# Altium PCB StepTMC5160.PcbDoc (part 1 of 3)
Units mm, origin at the board's own origin, x right, y up, seen from the top; angles counter-clockwise.
Board outline 116.59 x 111.76 mm, 4 copper layers (Component Side, GND, VCC, Bottom Layer), stack 0.778 mm thick; 199 components, 142 nets, 717 pads, 598 vias.
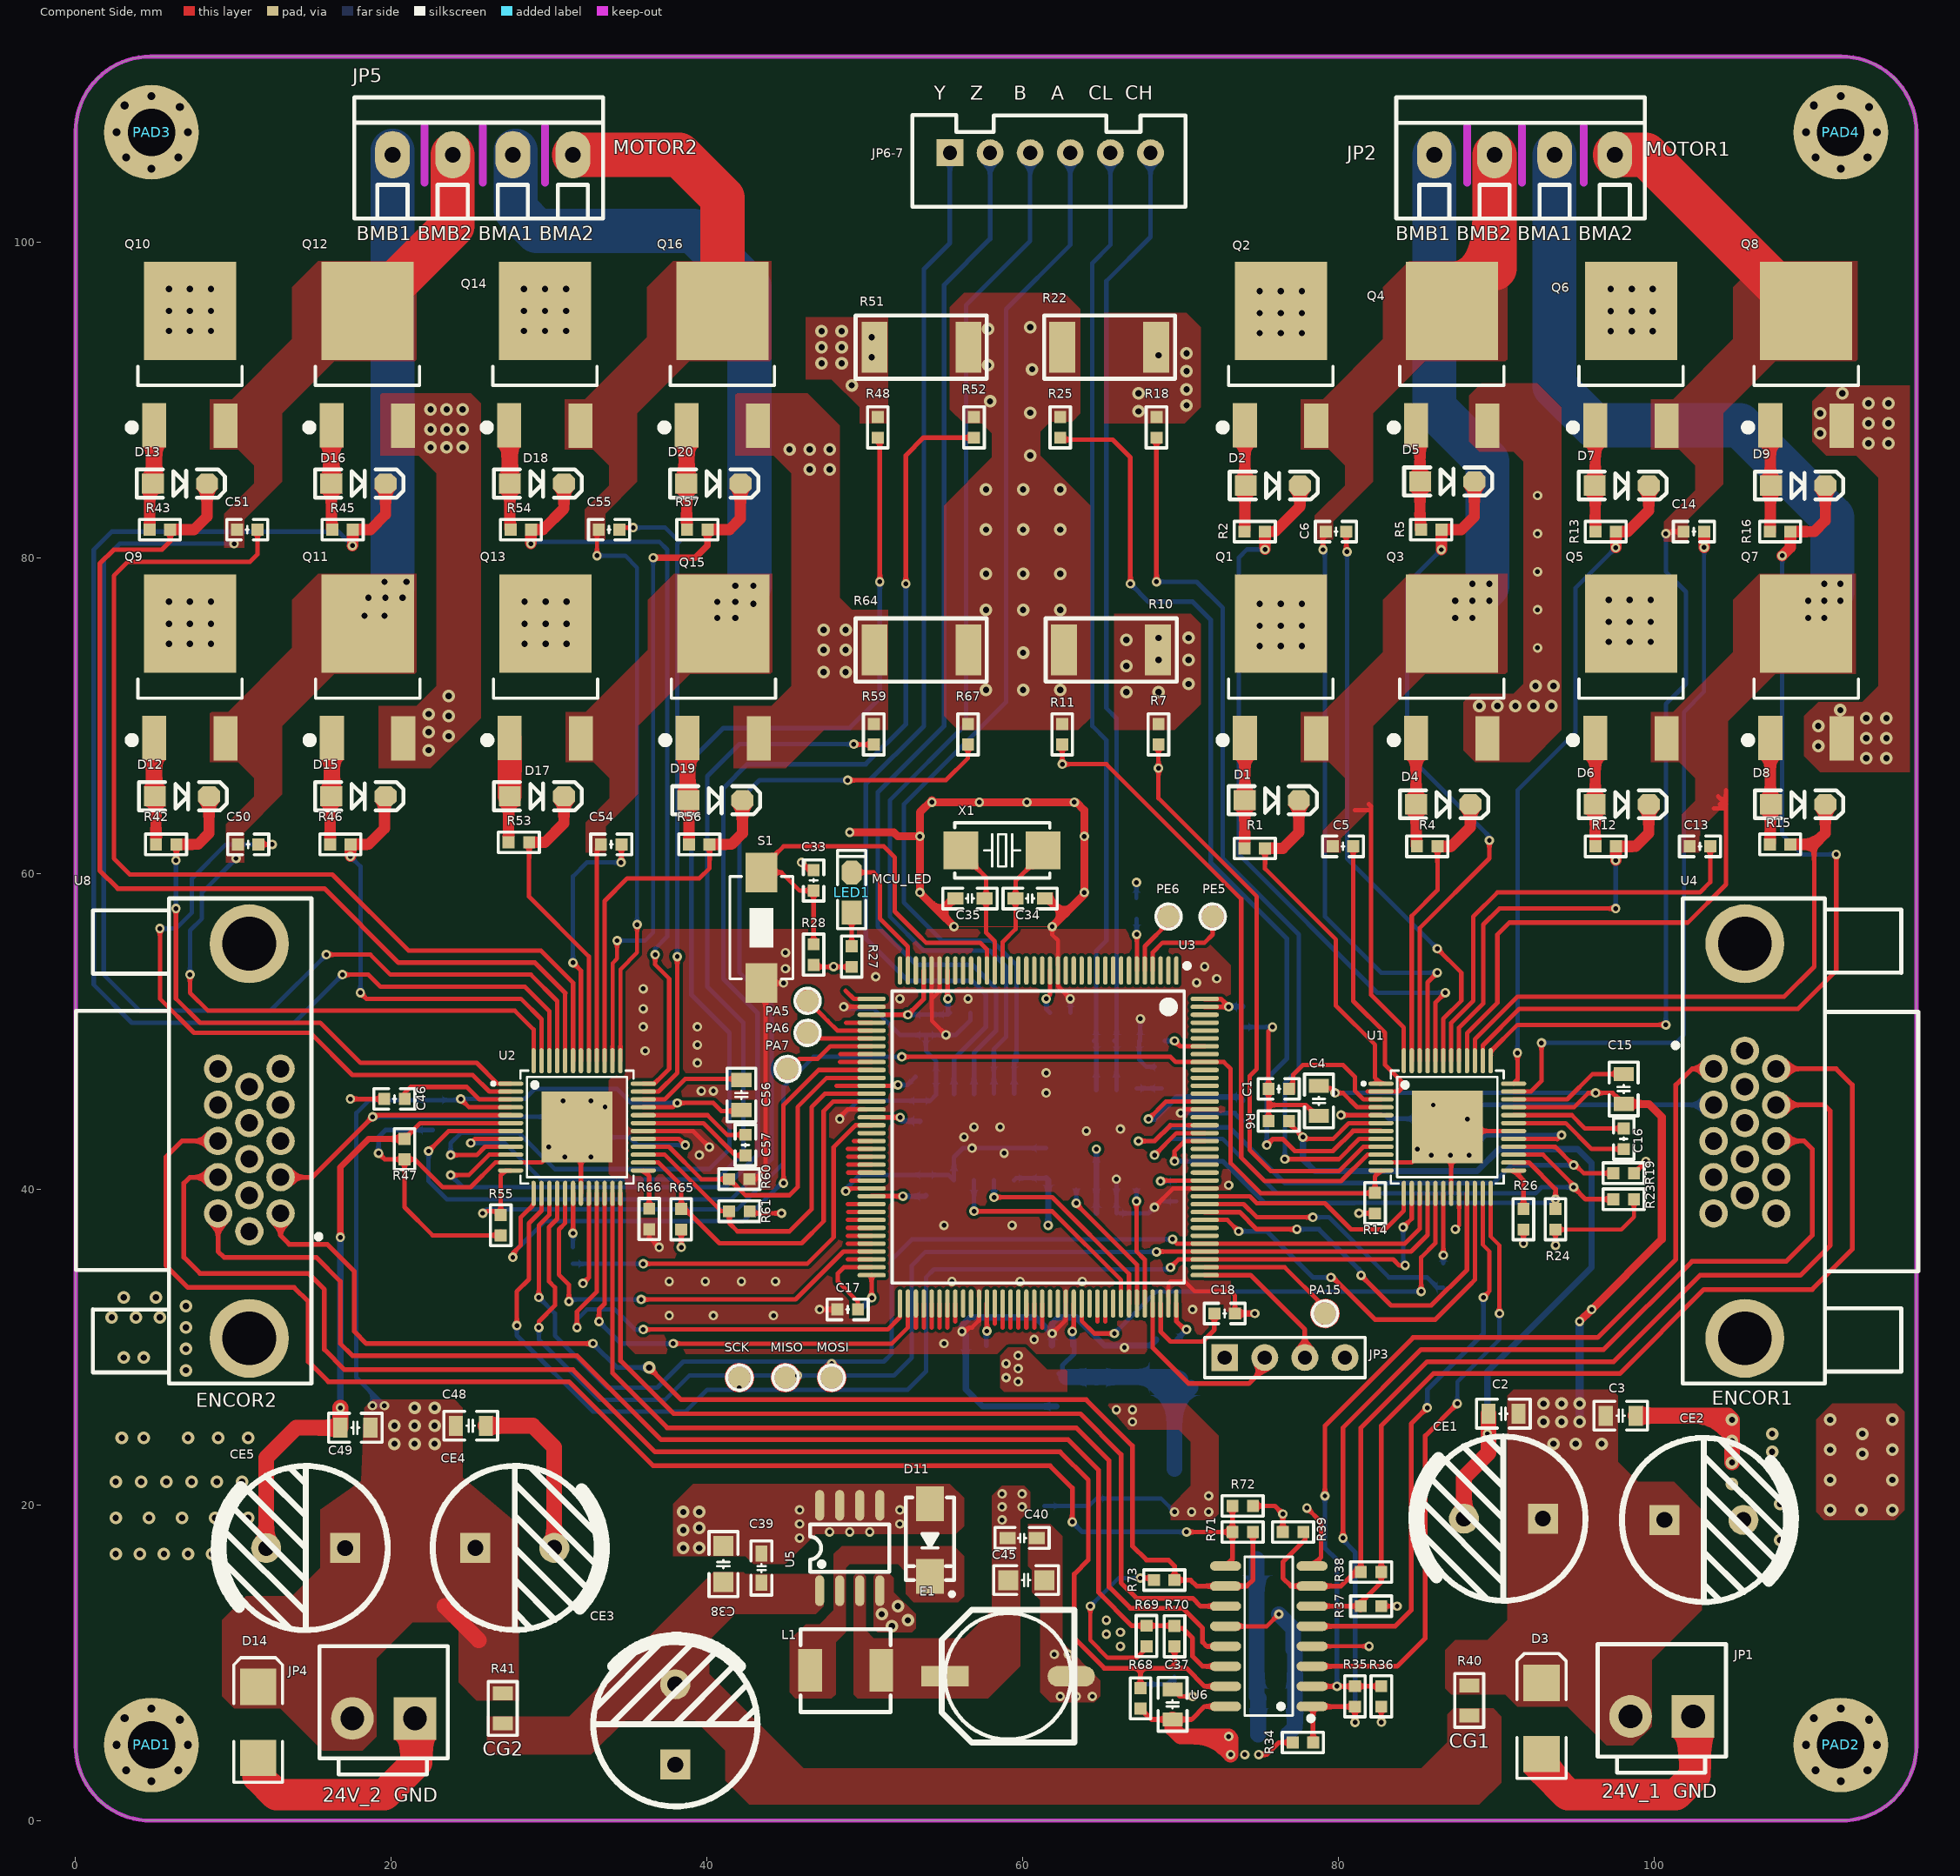
[diagram p0: Component Side view]
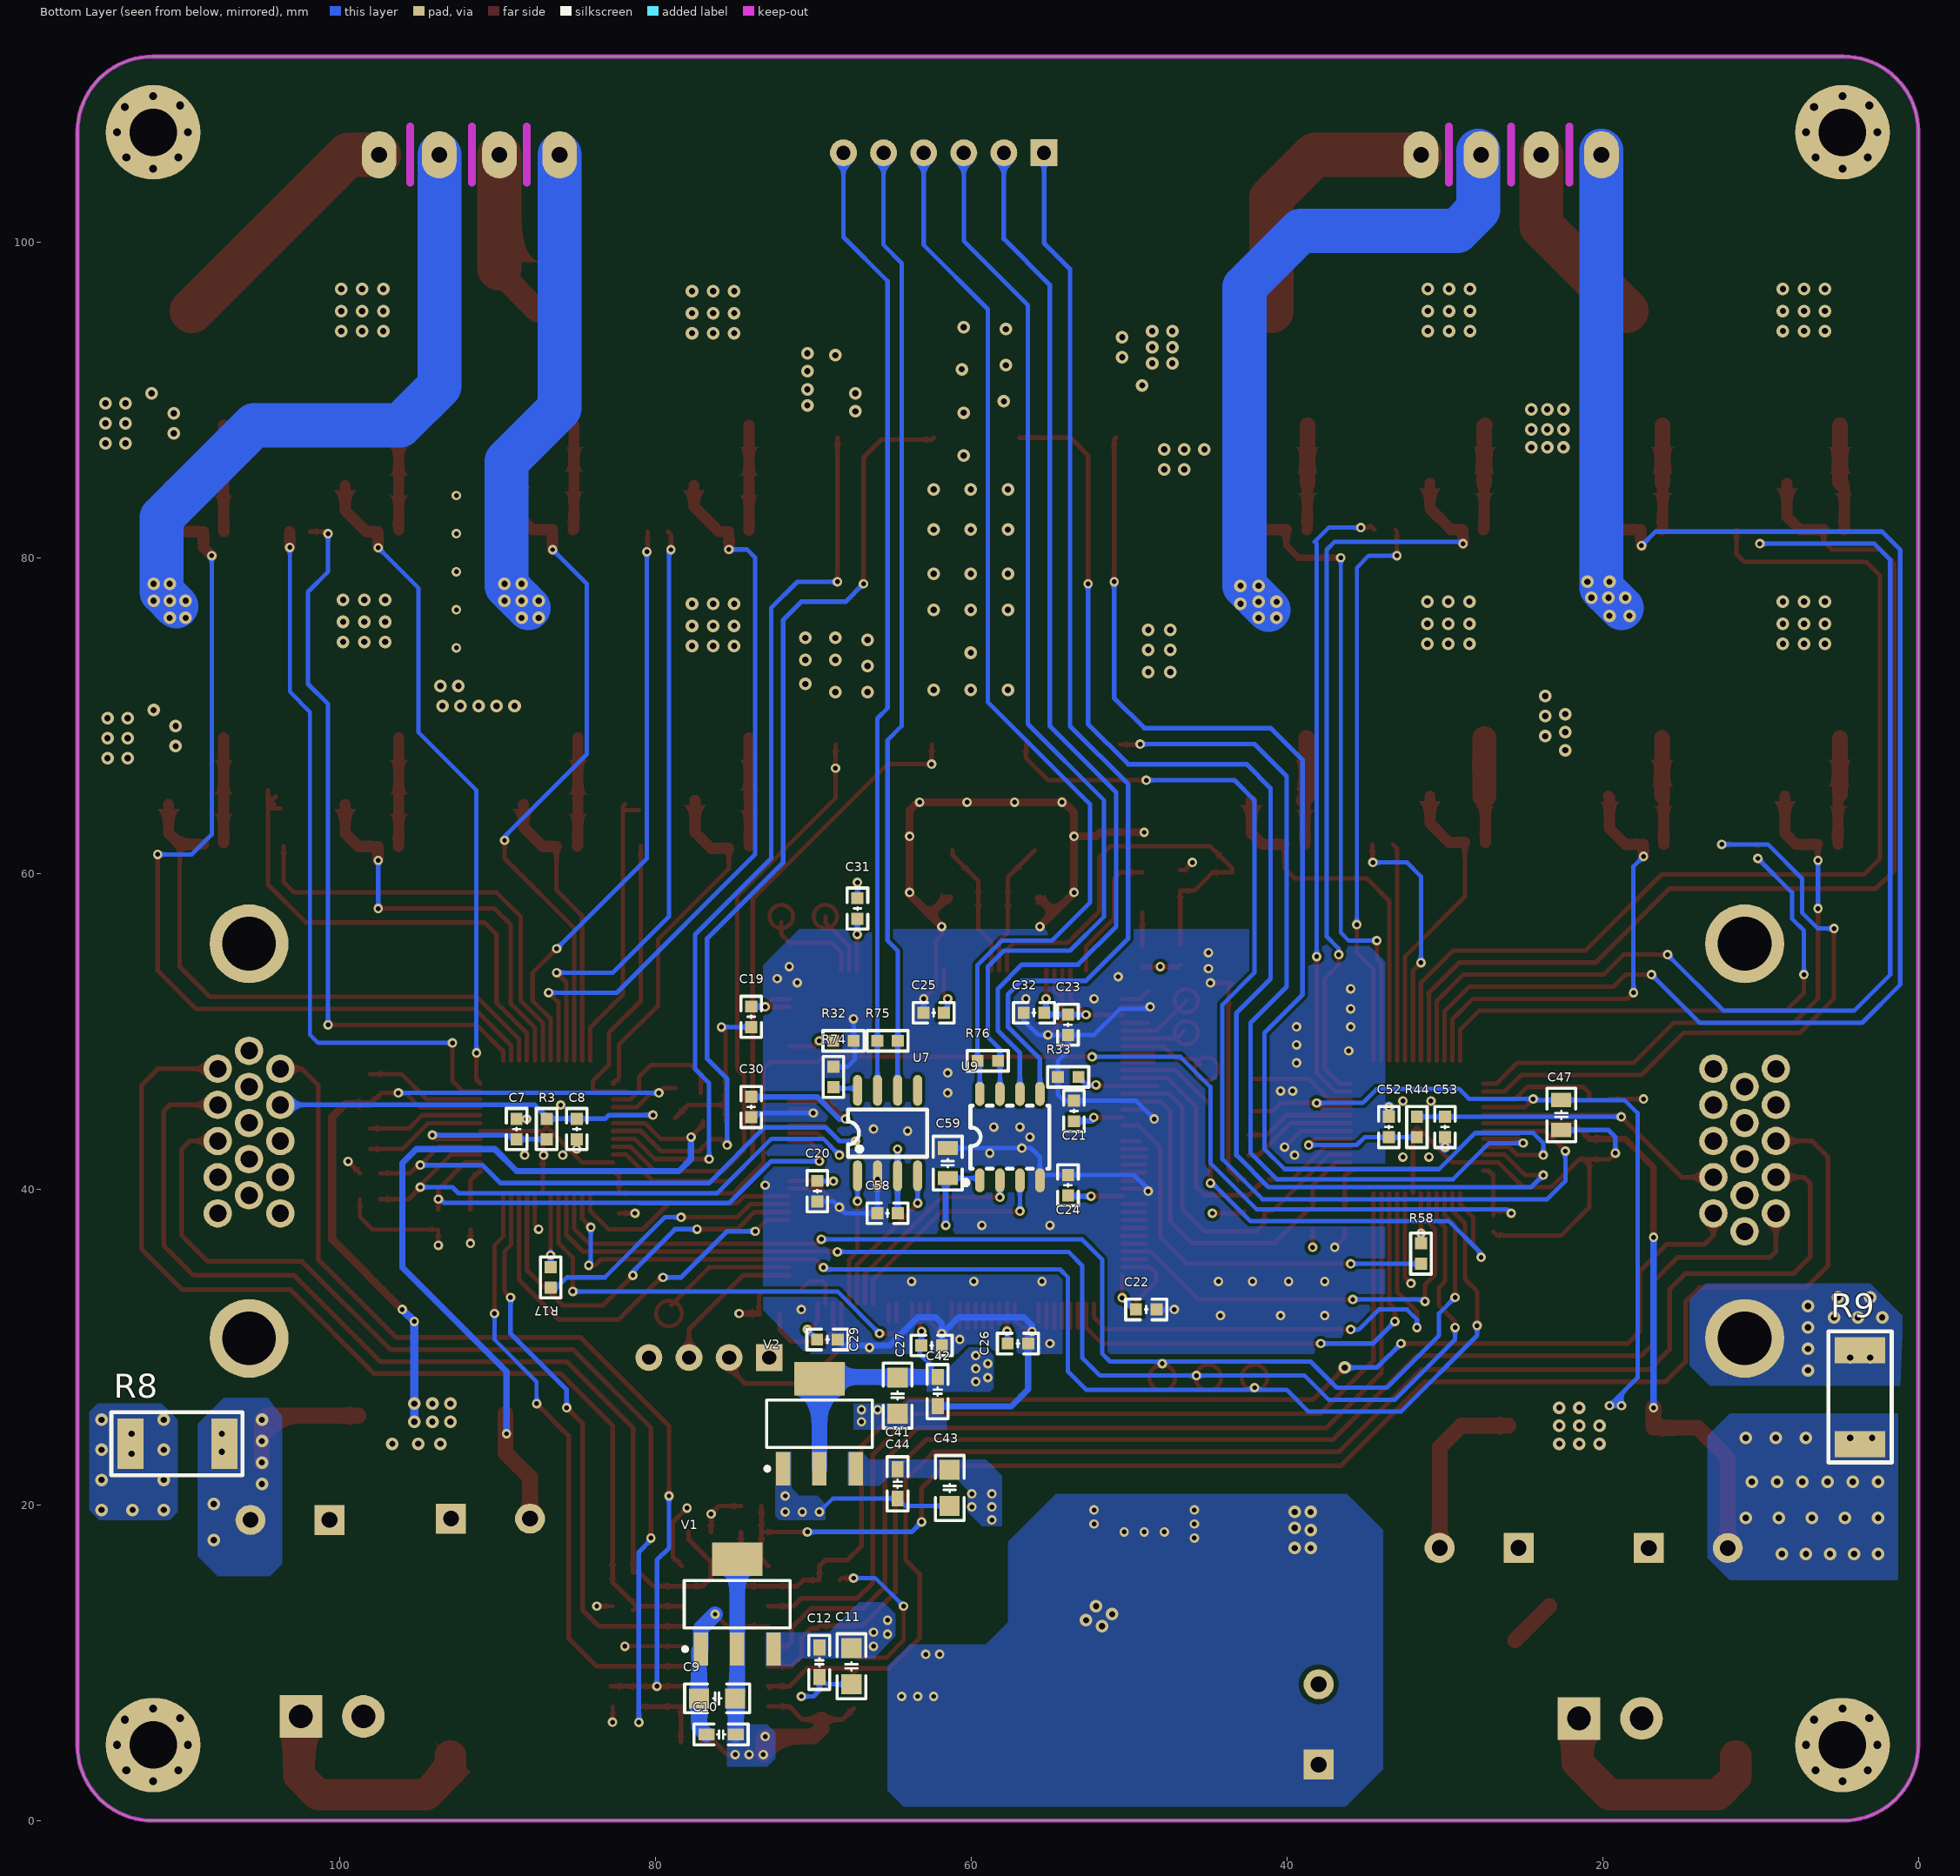
[diagram p1: Bottom Layer view, seen from below]
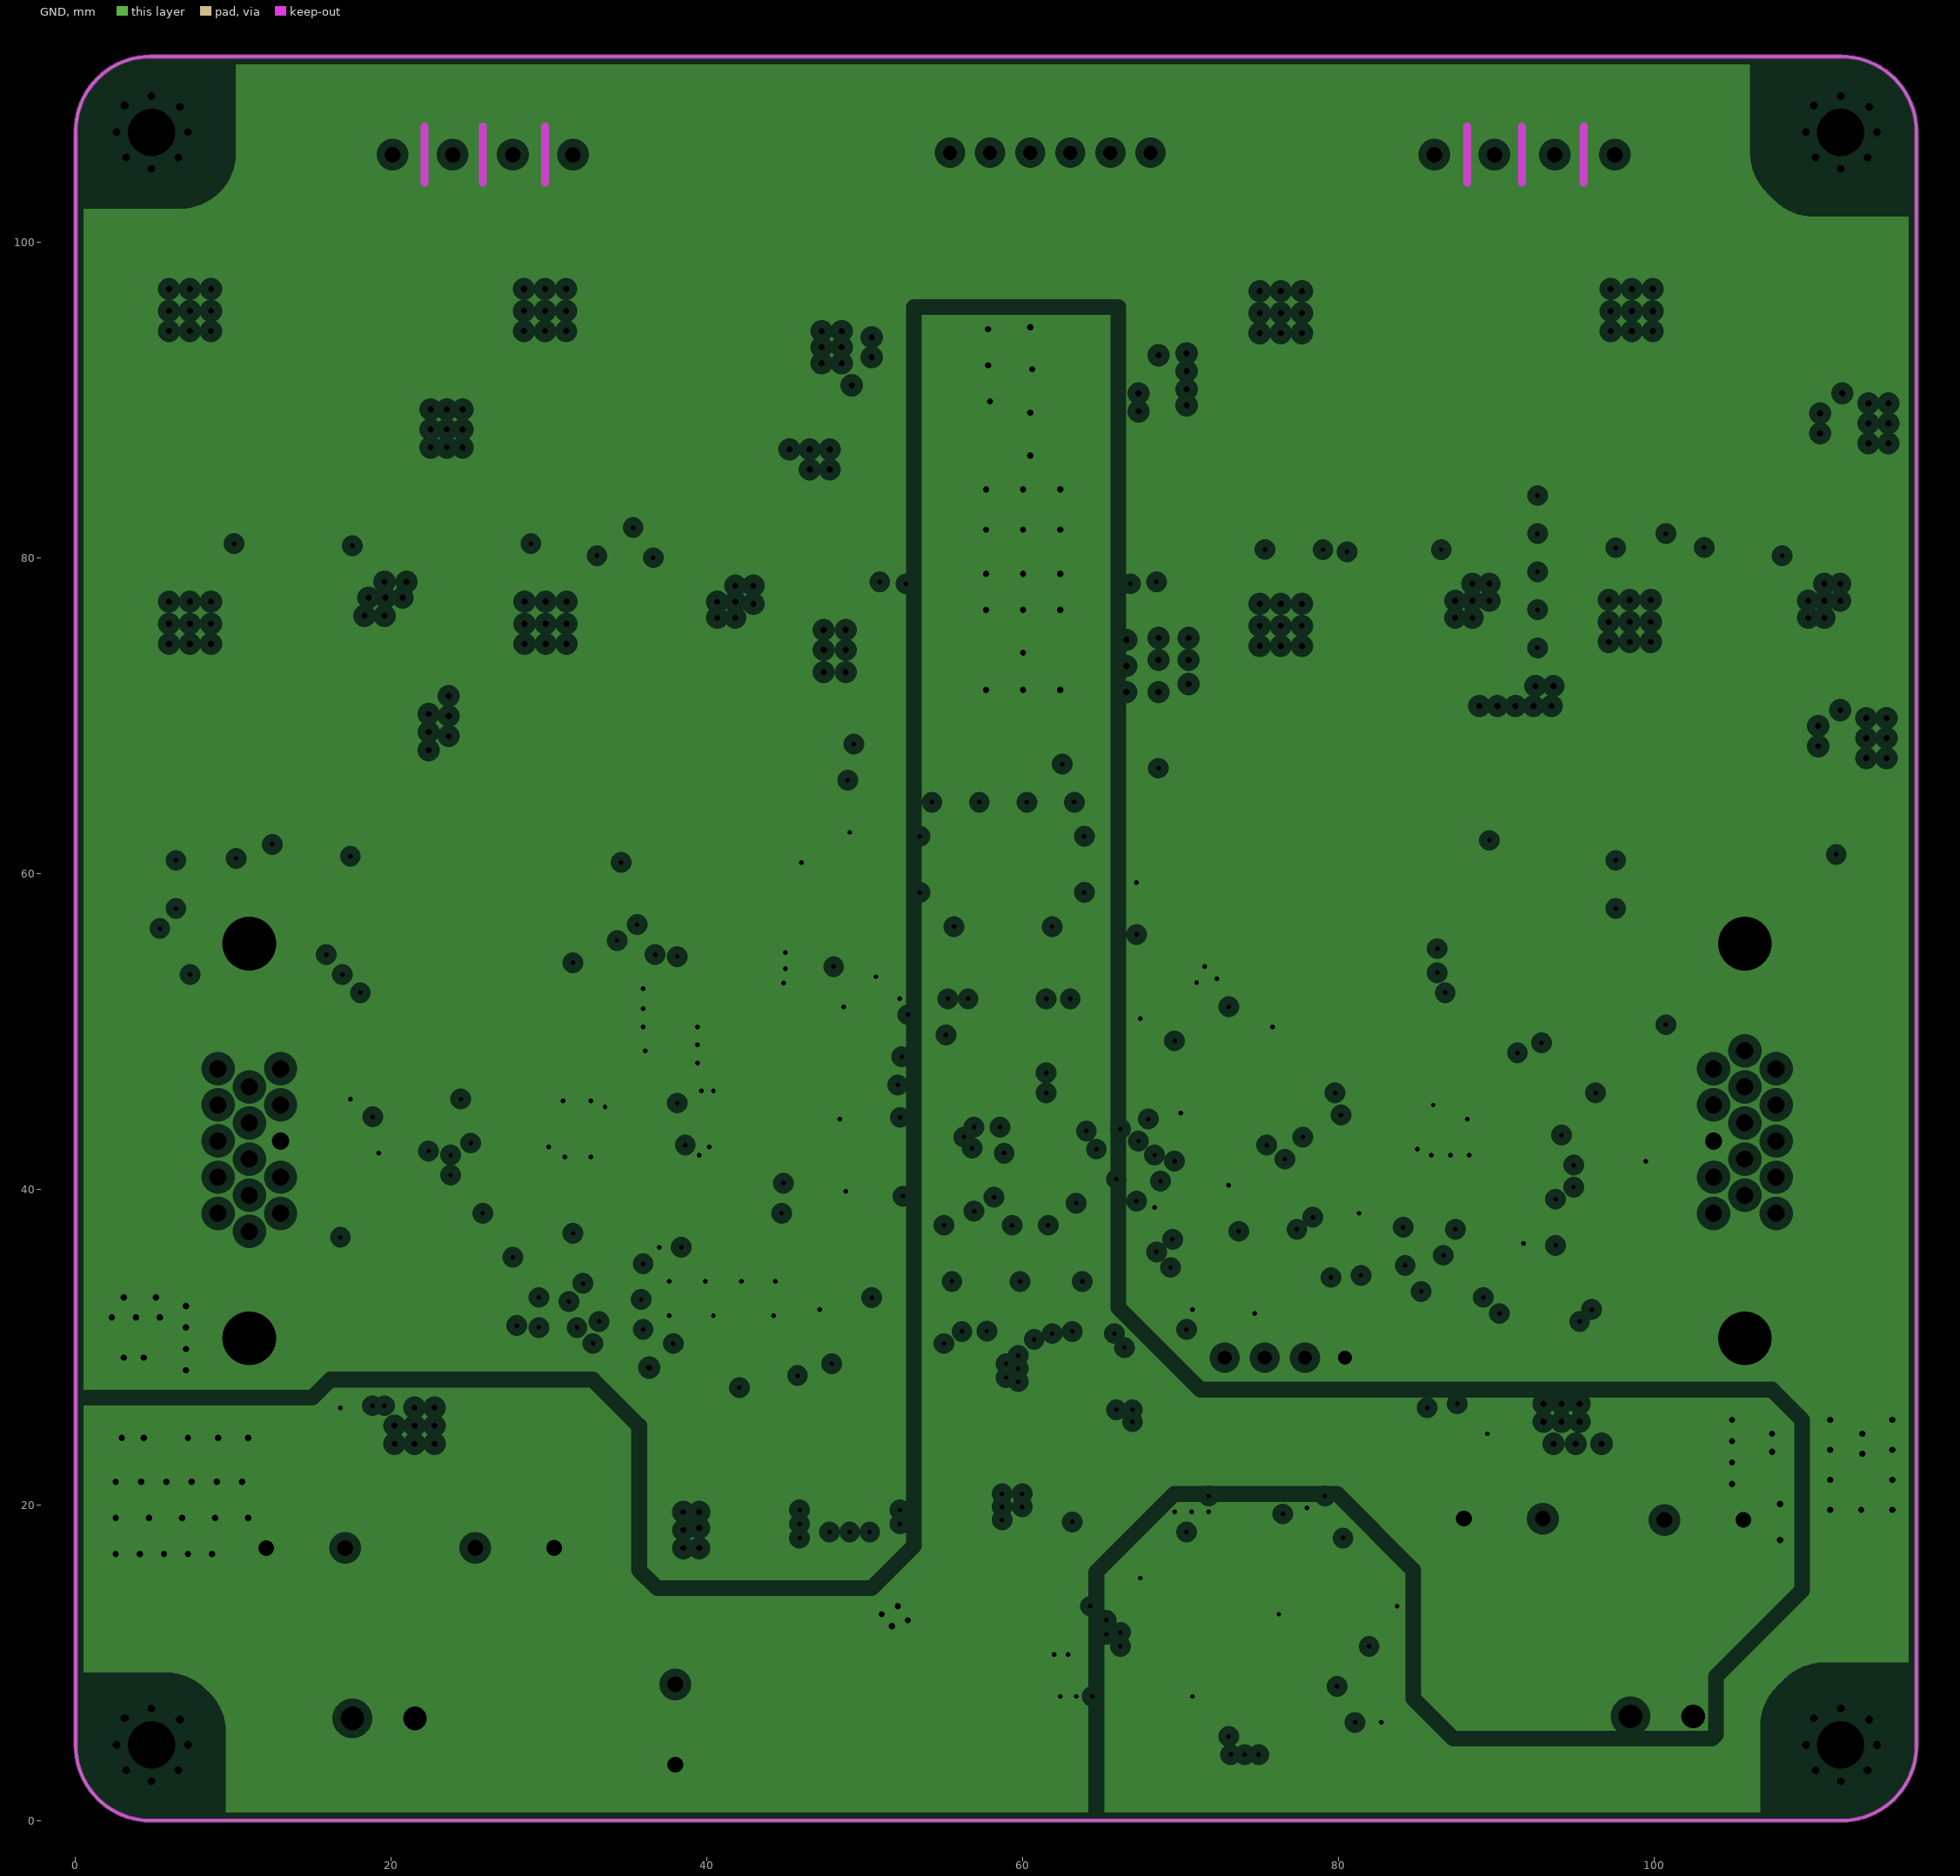
[diagram p2: GND, clearances drawn from the general rule]
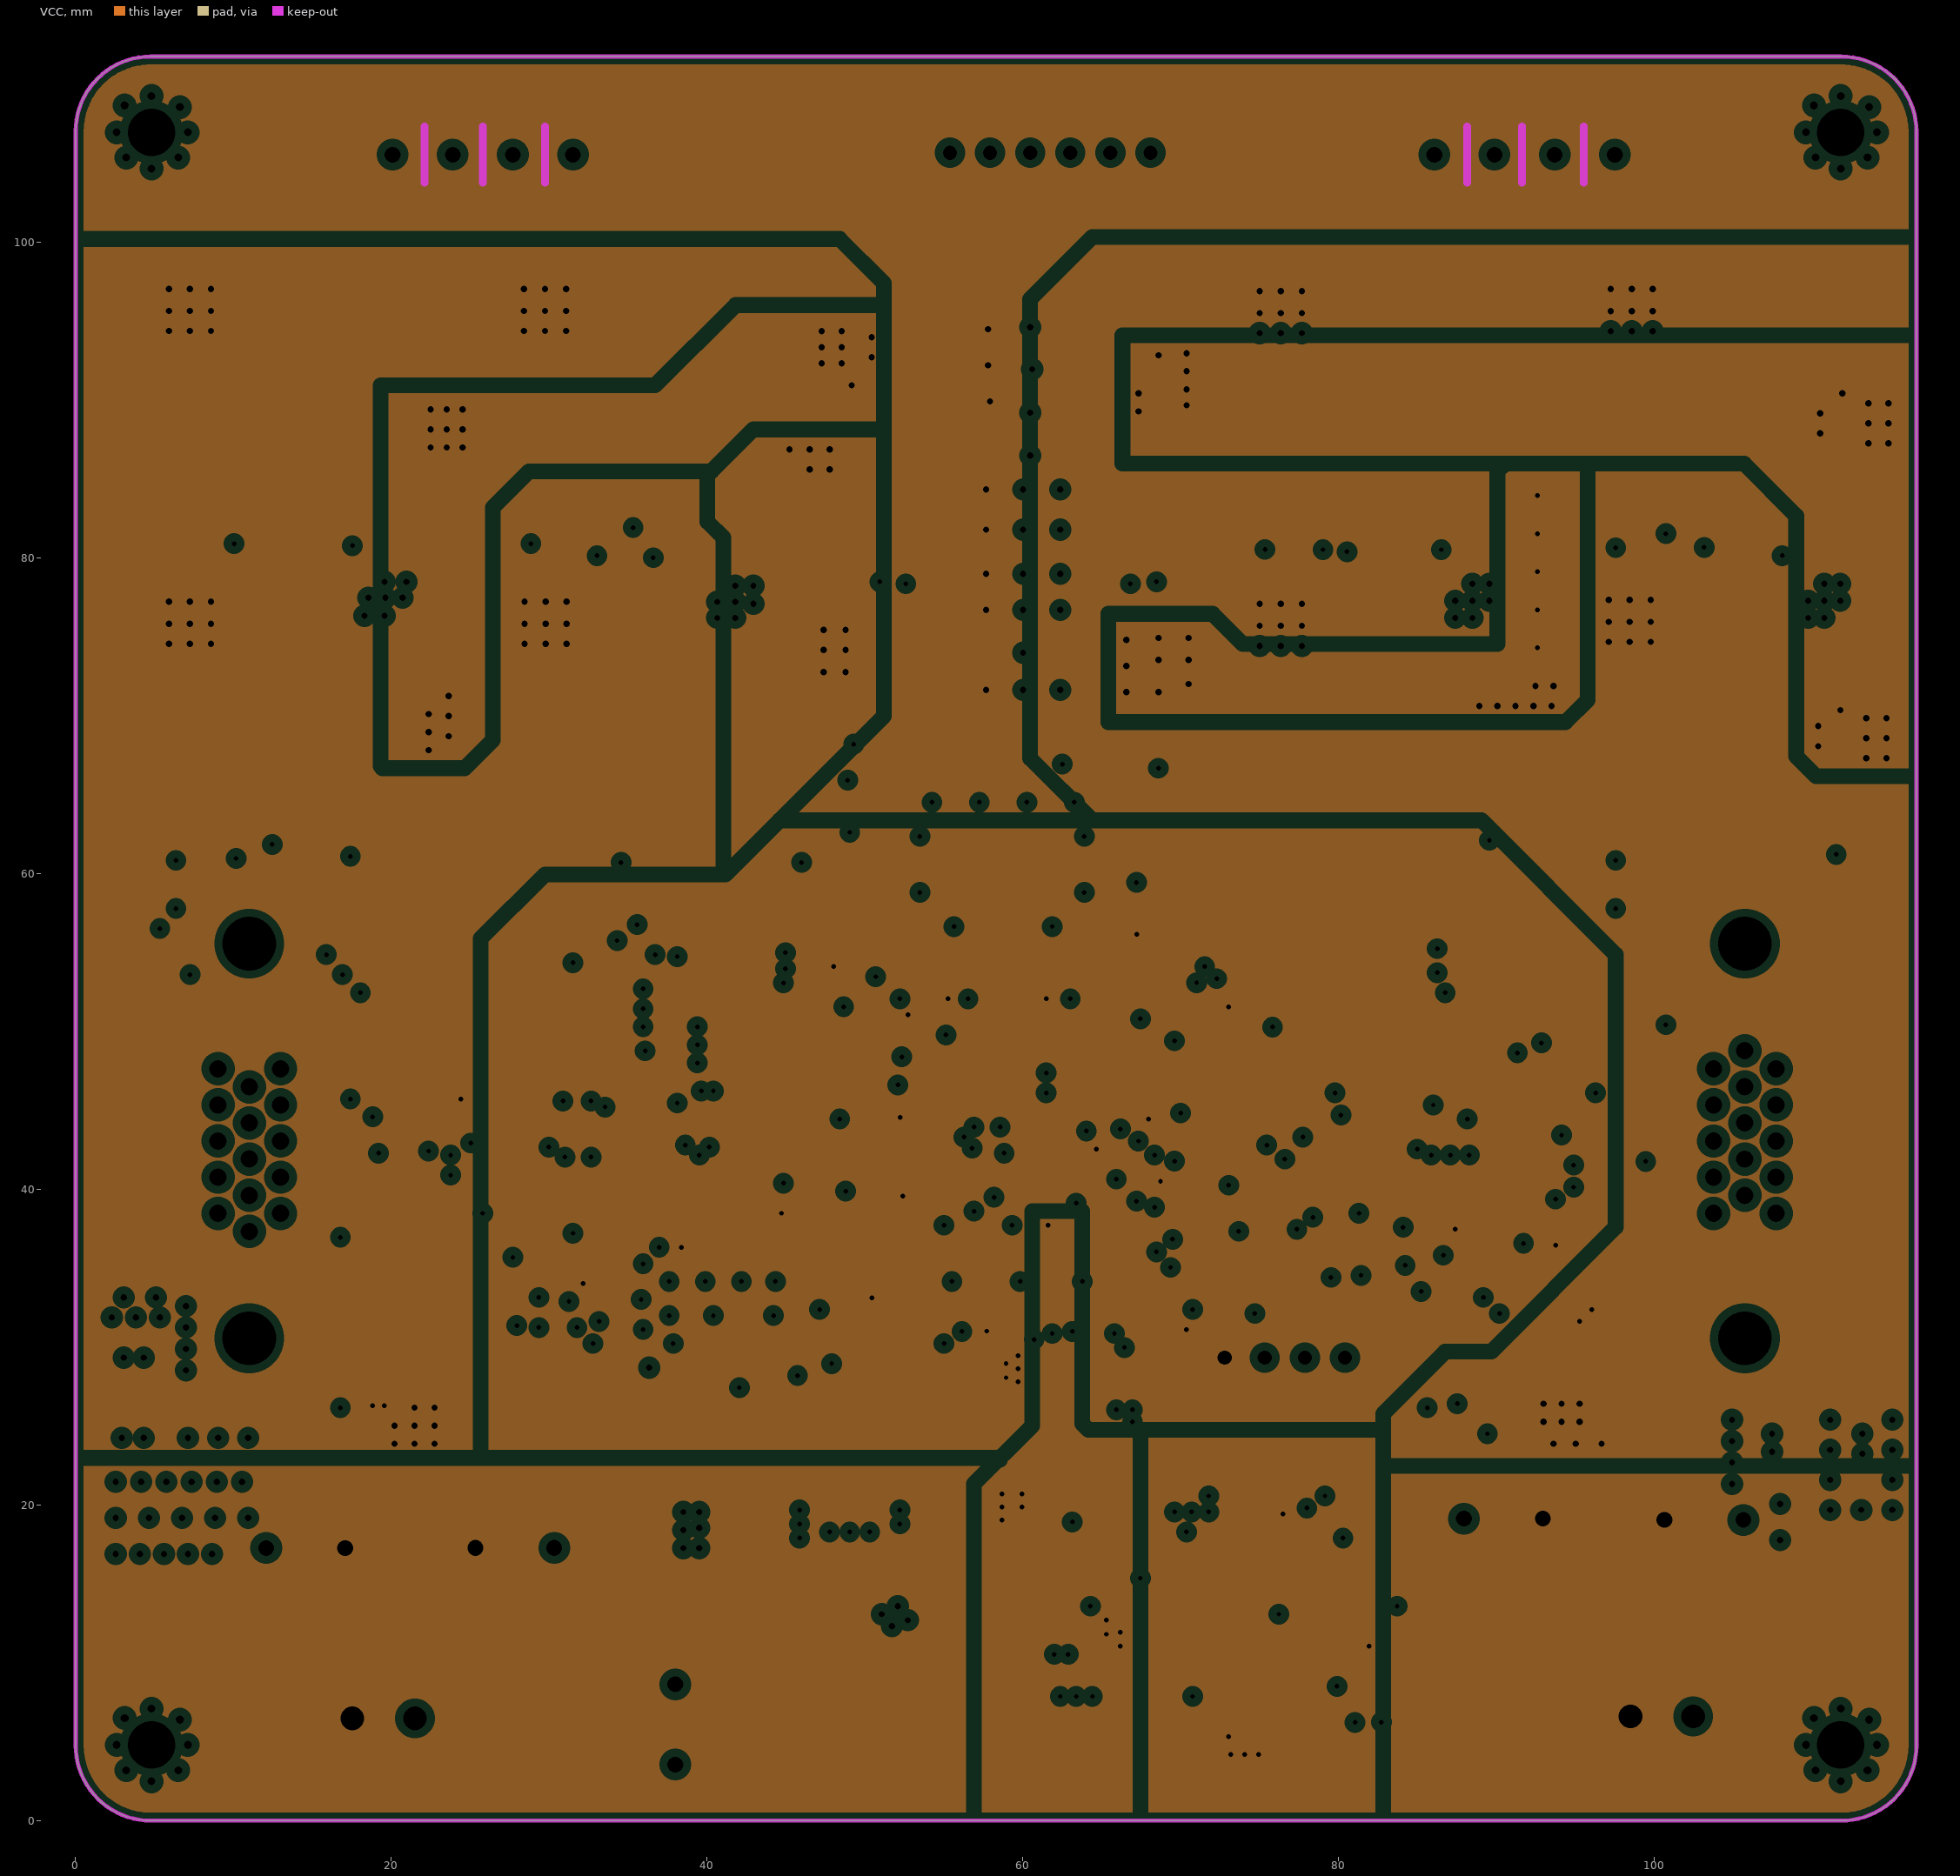
[diagram p3: VCC, clearances drawn from the general rule]

## Layer stack, top to bottom
Top Solder: solder mask 0.0102, Solder Resist, Dk 3.5
Component Side: signal copper 0.0356
Dielectric 1: core 0.254, FR-4, Dk 4.2
GND: plane copper 0.036, net (Multiple Nets)
Dielectric 3: prepreg 0.127, Dk 4.2
VCC: plane copper 0.036, net (Multiple Nets)
Dielectric 4: core 0.254, Dk 4.2
Bottom Layer: signal copper 0.0356
Solder Side: solder mask 0.0102, Solder Resist, Dk 3.5

## Board outline
0,4.761 0,107.023 cw(c4.737,107.023) 4.737,111.76 111.825,111.76 cw(c111.825,106.999) 116.586,106.999 116.586,4.761 cw(c111.825,4.761) 111.825,0 4.761,0 cw(c4.761,4.761)

## Design rules (kind name [scope] priority, off if disabled: settings)
Clearance [All] p1: gap=0.2 ignorepadtopadclearanceinfootprint=FALSE
PlaneClearance [All] p1: clearance=0.508
PlaneConnect [All] p1: planeconnectstyle=Direct reliefexpansion=0.508 reliefentries=4 reliefconductorwidth=0.254 reliefairgap=0.254
PolygonConnect [All] p1: connectstyle=Direct reliefconductorwidth=0.254 reliefentries=4 polygonreliefangle="90 Angle" airgapwidth=0.254
RoutingVias [All] p1: holewidth=0.711 width=1.27 viastyle="Through Hole" minholewidth=0.711 minwidth=1.27 maxholewidth=0.711 maxwidth=1.27
SolderMaskExpansion [All] p1: expansion=0.102
Width [All] p1: maxlimit=3 minlimit=0.254 preferedwidth=0.279
28 further rules are at their usual default settings.

## Classes and differential pairs
component class StepTMC5160: C1 C2 C3 C4 C5 C6 C7 C8 C9 C10 C11 C12 C13 C14 C15 C16 C17 C18 C19 C20 C21 C22 C23 C24 C25 C26 C27 C29 C30 C31 C32 C33 C34 C35 C37 C38 C39 C40 C41 C42 C43 C44 C45 C46 C47 C48 C49 C50 C51 C52 C53 C54 C55 C56 C57 C58 C59 CE1 CE2 CE3 CE4 CE5 D1 D2 D3 D4 D5 D6 D7 D8 D9 D11 D12 D13 D14 D15 D16 D17 D18 D19 D20 E1 JP1 JP3 JP4 L1 MCU_LED PAD1 PAD2 PAD3 PAD4 Q5 Q10 Q11 Q15 R2 R3 R4 R6 R7 R8 R9 R10 R11 R14 R15 R16 R17 R18 R22 R23 R24 R25 R26 R27 R28 R32 R33 R34 R35 R36 R37 R38 R39 R40 R41 R42 R43 R45 R46 R47 R48 R51 R52 R53 R54 R55 R56 R57 R58 R59 R60 R61 R64 R65 R66 R67 R68 R69 R70 R71 R72 R73 R74 R75 R76 S1 U1 U2 U3 U4 U5 U6 U7 U8 U9 V1 V2 X1
